# Altium PCB SNES TST.PcbDoc (part 1 of 3) (continued)
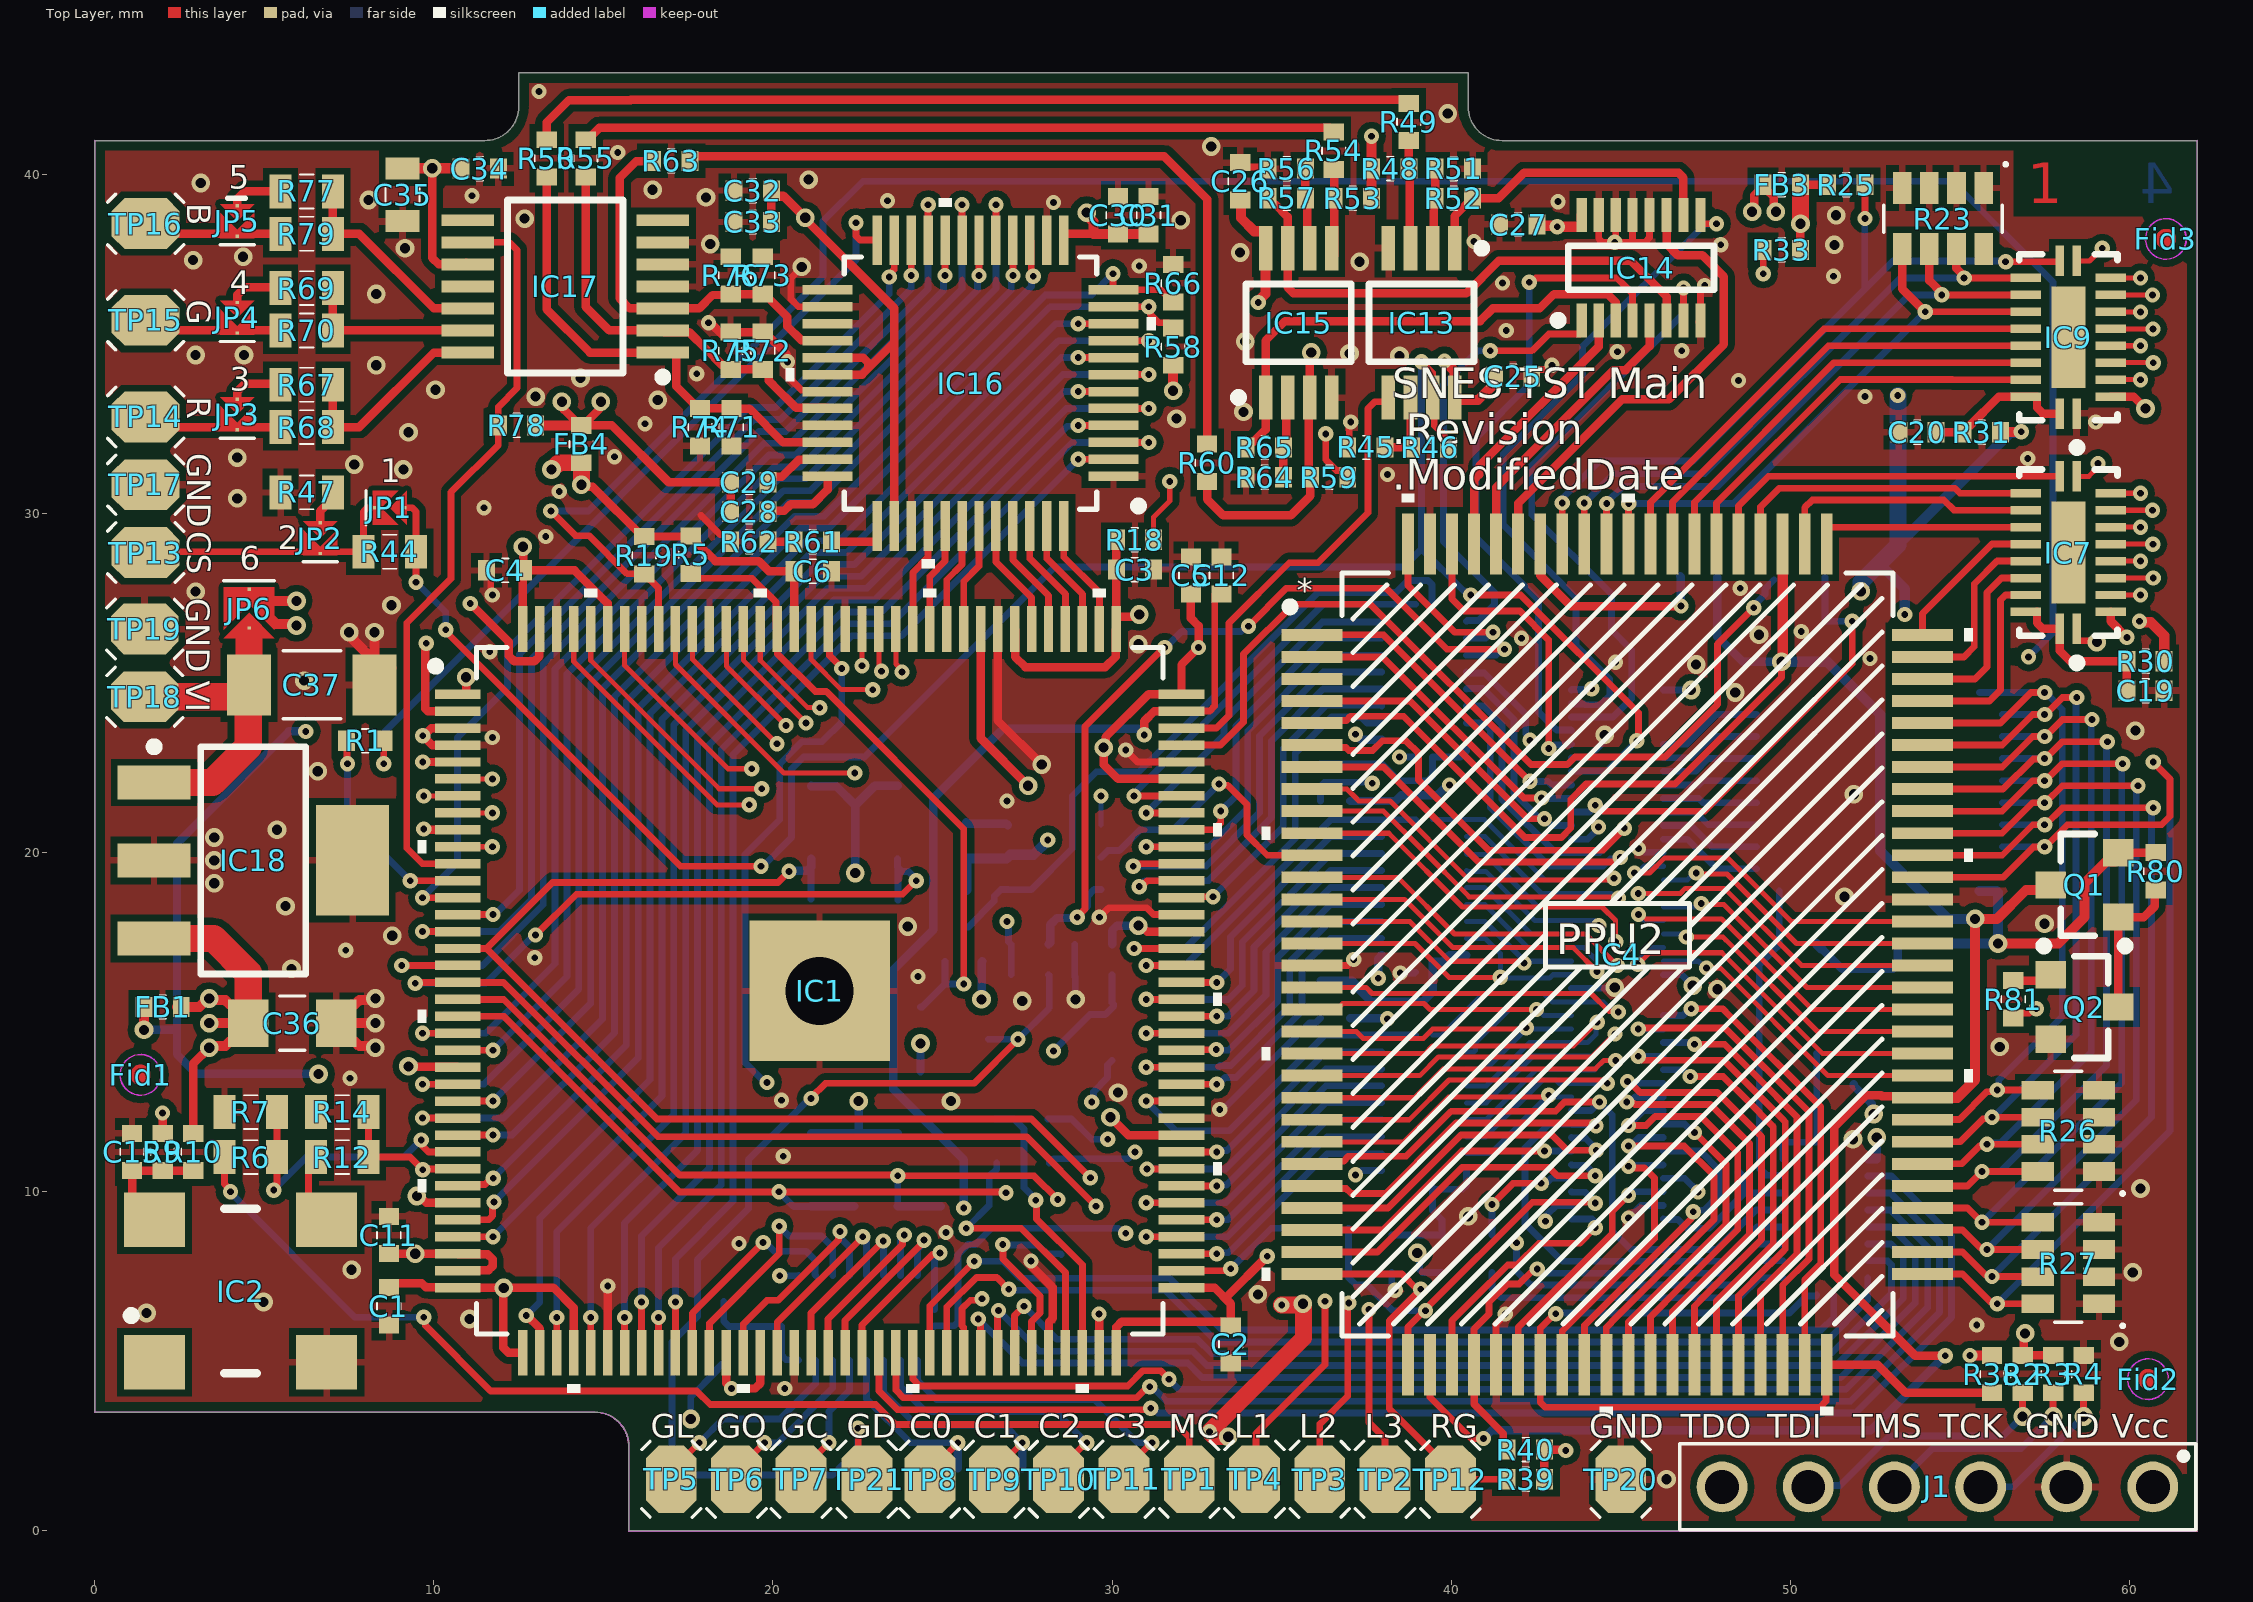
[diagram p0: Top Layer view]
## Components (designator, comment, footprint, x,y, rotation, side; value= is the part's Value field where it differs from the comment) (continued)
TP21 "Pin Connector" "Pin Connector Small" 22.775,1.525 r180 top

## Footprints (in the part's own frame and the unit in brackets; to place one, negate y for a bottom-side part, rotate by r counter-clockwise, add the part's x,y. Pads: shape width x height; smd on the part's side, far side on the other; paste and mask are expansions set on the pad)
1206_Array_Chip [mm] "Chip Array, Concave, 8-Leads, Pitch 0.80mm,  Body 3.20x1.60mm,  IPC Medium Density"
  rect 0.95x0.55 smd: 1(-0.9,1.2) 2(-0.9,0.4) 3(-0.9,-0.4) 4(-0.9,-1.2) 5(0.9,-1.2) 6(0.9,-0.4) 7(0.9,0.4) 8(0.9,1.2)
  silkscreen extent -1.65,-1.75 0.4,1.9, body extent -0.95,-1.7 0.95,1.7, height 0.6
Cap_0402_Chip [mm]
  rect 0.5x0.6 smd: 1(-0.55,0) 2(0.55,0)
  silkscreen extent -0.1,-0.35 0.1,0.35, body extent -0.55,-0.3 0.55,0.3, height 0.55
Cap_0603_Chip [mm]
  rect 0.65x1 smd: 1(-0.775,0) 2(0.775,0)
  silkscreen extent -0.2,-0.5 0.2,0.5, body extent -0.8,-0.48 0.8,0.48, height 0.9
Cap_0805_Chip [mm]
  rect 1.2x1.4 smd: 1(-1.3,0) 2(1.3,0)
  silkscreen extent -0.38,-0.8 0.38,0.8, body extent -1.05,-0.67 1.05,0.67, height 1.35
Cap_1206_Chip [mm]
  rect 1.3x1.8 smd: 1(-1.85,0) 2(1.85,0)
  silkscreen extent -0.85,-1 0.85,1, body extent -1.68,-0.87 1.68,0.87, height 1.4
Con6P [mm]
  round 1.5 hole 1: 1(-6.35,0) 2(-3.81,0) 3(-1.27,0) 4(1.27,0) 5(3.81,0) 6(6.35,0)
  silkscreen extent -7.62,-1.27 7.6,1.27
DF40C-80DP [mm]
  rect 0.35x0.66 smd: 0(-8.275,-1.355) 0(-8.275,1.355) 0(8.275,-1.355) 0(8.275,1.355)
  rect 0.23x0.66 smd: 1(-7.8,-1.355) 2(-7.8,1.355) 3(-7.4,-1.355) 4(-7.4,1.355) 5(-7,-1.355) 6(-7,1.355) 7(-6.6,-1.355) 8(-6.6,1.355) 9(-6.2,-1.355) 10(-6.2,1.355) 11(-5.8,-1.355) 12(-5.8,1.355) 13(-5.4,-1.355) 14(-5.4,1.355) 15(-5,-1.355) 16(-5,1.355) 17(-4.6,-1.355) 18(-4.6,1.355) 19(-4.2,-1.355) 20(-4.2,1.355) 21(-3.8,-1.355) 22(-3.8,1.355) 23(-3.4,-1.355) 24(-3.4,1.355) 25(-3,-1.355) 26(-3,1.355) 27(-2.6,-1.355) 28(-2.6,1.355) 29(-2.2,-1.355) 30(-2.2,1.355) 31(-1.8,-1.355) 32(-1.8,1.355) 33(-1.4,-1.355) 34(-1.4,1.355) 35(-1,-1.355) 36(-1,1.355) 37(-0.6,-1.355) 38(-0.6,1.355) 39(-0.2,-1.355) 40(-0.2,1.355) 41(0.2,-1.355) 42(0.2,1.355) 43(0.6,-1.355) 44(0.6,1.355) 45(1,-1.355) 46(1,1.355) 47(1.4,-1.355) 48(1.4,1.355) 49(1.8,-1.355) 50(1.8,1.355) 51(2.2,-1.355) 52(2.2,1.355) 53(2.6,-1.355) 54(2.6,1.355) 55(3,-1.355) 56(3,1.355) 57(3.4,-1.355) 58(3.4,1.355) 59(3.8,-1.355) 60(3.8,1.355) 61(4.2,-1.355) 62(4.2,1.355) 63(4.6,-1.355) 64(4.6,1.355) 65(5,-1.355) 66(5,1.355) 67(5.4,-1.355) 68(5.4,1.355) 69(5.8,-1.355) 70(5.8,1.355) 71(6.2,-1.355) 72(6.2,1.355) 73(6.6,-1.355) 74(6.6,1.355) 75(7,-1.355) 76(7,1.355) 77(7.4,-1.355) 78(7.4,1.355) 79(7.8,-1.355) 80(7.8,1.355)
  silkscreen extent -9,-2.25 8.87,1.63, body extent -8.76,-1.47 8.76,1.5, height 1.09
EQFP-144_A:1P65_ [mm]
  rect 1.353x0.279 smd: 1(-10.672,8.75) 2(-10.672,8.25) 3(-10.672,7.75) 4(-10.672,7.25) 5(-10.672,6.75) 6(-10.672,6.25) 7(-10.672,5.75) 8(-10.672,5.25) 9(-10.672,4.75) 10(-10.672,4.25) 11(-10.672,3.75) 12(-10.672,3.25) 13(-10.672,2.75) 14(-10.672,2.25) 15(-10.672,1.75) 16(-10.672,1.25) 17(-10.672,0.75) 18(-10.672,0.25) 19(-10.672,-0.25) 20(-10.672,-0.75) 21(-10.672,-1.25) 22(-10.672,-1.75) 23(-10.672,-2.25) 24(-10.672,-2.75) 25(-10.672,-3.25) 26(-10.672,-3.75) 27(-10.672,-4.25) 28(-10.672,-4.75) 29(-10.672,-5.25) 30(-10.672,-5.75) 31(-10.672,-6.25) 32(-10.672,-6.75) 33(-10.672,-7.25) 34(-10.672,-7.75) 35(-10.672,-8.25) 36(-10.672,-8.75) 73(10.672,-8.75) 74(10.672,-8.25) 75(10.672,-7.75) 76(10.672,-7.25) 77(10.672,-6.75) 78(10.672,-6.25) 79(10.672,-5.75) 80(10.672,-5.25) 81(10.672,-4.75) 82(10.672,-4.25) 83(10.672,-3.75) 84(10.672,-3.25) 85(10.672,-2.75) 86(10.672,-2.25) 87(10.672,-1.75) 88(10.672,-1.25) 89(10.672,-0.75) 90(10.672,-0.25) 91(10.672,0.25) 92(10.672,0.75) 93(10.672,1.25) 94(10.672,1.75) 95(10.672,2.25) 96(10.672,2.75) 97(10.672,3.25) 98(10.672,3.75) 99(10.672,4.25) 100(10.672,4.75) 101(10.672,5.25) 102(10.672,5.75) 103(10.672,6.25) 104(10.672,6.75) 105(10.672,7.25) 106(10.672,7.75) 107(10.672,8.25) 108(10.672,8.75)
  rect 0.279x1.353 smd: 37(-8.75,-10.672) 38(-8.25,-10.672) 39(-7.75,-10.672) 40(-7.25,-10.672) 41(-6.75,-10.672) 42(-6.25,-10.672) 43(-5.75,-10.672) 44(-5.25,-10.672) 45(-4.75,-10.672) 46(-4.25,-10.672) 47(-3.75,-10.672) 48(-3.25,-10.672) 49(-2.75,-10.672) 50(-2.25,-10.672) 51(-1.75,-10.672) 52(-1.25,-10.672) 53(-0.75,-10.672) 54(-0.25,-10.672) 55(0.25,-10.672) 56(0.75,-10.672) 57(1.25,-10.672) 58(1.75,-10.672) 59(2.25,-10.672) 60(2.75,-10.672) 61(3.25,-10.672) 62(3.75,-10.672) 63(4.25,-10.672) 64(4.75,-10.672) 65(5.25,-10.672) 66(5.75,-10.672) 67(6.25,-10.672) 68(6.75,-10.672) 69(7.25,-10.672) 70(7.75,-10.672) 71(8.25,-10.672) 72(8.75,-10.672) 109(8.75,10.672) 110(8.25,10.672) 111(7.75,10.672) 112(7.25,10.672) 113(6.75,10.672) 114(6.25,10.672) 115(5.75,10.672) 116(5.25,10.672) 117(4.75,10.672) 118(4.25,10.672) 119(3.75,10.672) 120(3.25,10.672) 121(2.75,10.672) 122(2.25,10.672) 123(1.75,10.672) 124(1.25,10.672) 125(0.75,10.672) 126(0.25,10.672) 127(-0.25,10.672) 128(-0.75,10.672) 129(-1.25,10.672) 130(-1.75,10.672) 131(-2.25,10.672) 132(-2.75,10.672) 133(-3.25,10.672) 134(-3.75,10.672) 135(-4.25,10.672) 136(-4.75,10.672) 137(-5.25,10.672) 138(-5.75,10.672) 139(-6.25,10.672) 140(-6.75,10.672) 141(-7.25,10.672) 142(-7.75,10.672) 143(-8.25,10.672) 144(-8.75,10.672)
  rect 4.14x4.14 smd: EPAD(0,0)
  round 3 hole 2: EPAD(0,0)
  silkscreen extent -11.86,-11.86 11.86,11.86, body extent -11,-11 11,11, height 1.65
Fiducial_1_side [mm]
  Top Layer circle w0.3: c0,0 r0.15
  Top Layer keep-out circle w0.05: c0,0 r0.6
Ind_0402_Chip [mm]
  rect 0.5x0.6 smd: 1(-0.55,0) 2(0.55,0)
  silkscreen extent -0.1,-0.35 0.1,0.35, body extent -0.55,-0.3 0.55,0.3, height 0.55
Jumper [mm]
  rect 0.1x0.1 smd: 1(0,0.45) 2(0,-0.45)
  Top Layer region: -0.5,-0.5 0.5,-0.5 0,0
  Top Layer region: -0.5,-0.25 -0.5,0.5 0.5,0.5 0.5,-0.25 0,0.25
"Jumper Big" [mm]
  rect 0.1x0.1 smd: 1(0,0.7) 2(0,-0.45)
  Top Layer region: -0.75,-0.75 0.75,-0.75 0,0
  Top Layer region: -0.75,-0.5 -0.75,0.75 0.75,0.75 0.75,-0.5 0,0.25
MSOP8 [mm] "TSOP, 8-Leads, Body 3.00x3.00mm, Pitch 0.65mm, IPC Medium Density"
  rect 1.3x0.4 smd: 1(-2.2,0.975) 2(-2.2,0.325) 3(-2.2,-0.325) 4(-2.2,-0.975) 5(2.2,-0.975) 6(2.2,-0.325) 7(2.2,0.325) 8(2.2,0.975)
  silkscreen extent -2.32,-1.55 1.15,1.9, body extent -2.44,-1.55 2.44,1.55, height 1.07
"Pin Connector Small" [mm]
  oct 1.5x2 smd paste-1: 1(0,0)
  silkscreen extent -0.87,-1.12 0.87,1.12
PPU100Pin [mm]
  rect 1.8x0.35 smd paste-1: 1(-9,9.425) 2(-9,8.775) 3(-9,8.125) 4(-9,7.475) 5(-9,6.825) 6(-9,6.175) 7(-9,5.525) 8(-9,4.875) 9(-9,4.225) 10(-9,3.575) 11(-9,2.925) 12(-9,2.275) 13(-9,1.625) 14(-9,0.975) 15(-9,0.325) 16(-9,-0.325) 17(-9,-0.975) 18(-9,-1.625) 19(-9,-2.275) 20(-9,-2.925) 21(-9,-3.575) 22(-9,-4.225) 23(-9,-4.875) 24(-9,-5.525) 25(-9,-6.175) 26(-9,-6.825) 27(-9,-7.475) 28(-9,-8.125) 29(-9,-8.775) 30(-9,-9.425) 51(9,-9.425) 52(9,-8.775) 53(9,-8.125) 54(9,-7.475) 55(9,-6.825) 56(9,-6.175) 57(9,-5.525) 58(9,-4.875) 59(9,-4.225) 60(9,-3.575) 61(9,-2.925) 62(9,-2.275) 63(9,-1.625) 64(9,-0.975) 65(9,-0.325) 66(9,0.325) 67(9,0.975) 68(9,1.625) 69(9,2.275) 70(9,2.925) 71(9,3.575) 72(9,4.225) 73(9,4.875) 74(9,5.525) 75(9,6.175) 76(9,6.825) 77(9,7.475) 78(9,8.125) 79(9,8.775) 80(9,9.425)
  rect 0.35x1.8 smd paste-1: 31(-6.175,-12.1) 32(-5.525,-12.1) 33(-4.875,-12.1) 34(-4.225,-12.1) 35(-3.575,-12.1) 36(-2.925,-12.1) 37(-2.275,-12.1) 38(-1.625,-12.1) 39(-0.975,-12.1) 40(-0.325,-12.1) 41(0.325,-12.1) 42(0.975,-12.1) 43(1.625,-12.1) 44(2.275,-12.1) 45(2.925,-12.1) 46(3.575,-12.1) 47(4.225,-12.1) 48(4.875,-12.1) 49(5.525,-12.1) 50(6.175,-12.1) 81(6.175,12.1) 82(5.525,12.1) 83(4.875,12.1) 84(4.225,12.1) 85(3.575,12.1) 86(2.925,12.1) 87(2.275,12.1) 88(1.625,12.1) 89(0.975,12.1) 90(0.325,12.1) 91(-0.325,12.1) 92(-0.975,12.1) 93(-1.625,12.1) 94(-2.275,12.1) 95(-2.925,12.1) 96(-3.575,12.1) 97(-4.225,12.1) 98(-4.875,12.1) 99(-5.525,12.1) 100(-6.175,12.1)
  silkscreen extent -10.48,-13.58 10.48,13.58, body extent -9.48,-12.48 9.47,12.47, height 2.82
"Quarz 7.5mm" [mm]
  rect 1.8x1.6 smd: 1(-2.54,-2.1) 2(2.54,-2.1) 3(2.54,2.1) 4(-2.54,2.1)
  silkscreen extent -3.35,-2.42 0.48,2.42, body extent -3.5,-2.51 3.5,2.51, height 1.52
Res_0402_Chip [mm]
  rect 0.5x0.6 smd: 1(-0.55,0) 2(0.55,0)
  silkscreen extent -0.1,-0.35 0.1,0.35, body extent -0.55,-0.3 0.55,0.3, height 0.35
Res_0603_Chip [mm]
  rect 0.65x1 smd: 1(-0.775,0) 2(0.775,0)
  silkscreen extent -0.2,-0.5 0.2,0.5, body extent -0.8,-0.48 0.8,0.48, height 0.5
SOD323 [mm] "SODFL, 2-Leads, Body 1.25x2.50mm, IPC Medium Density"
  rect 0.95x0.45 smd: 1(-1.075,0) 2(1.075,0)
  silkscreen extent -1.5,-0.7 0.9,0.7, body extent -1.25,-0.67 1.25,0.67, height 1
SOT23-6 [mm] "SOT23, 5-Leads, Body 2,90x2,80mm, Pitch 0,95mm, IPC Medium Density"
  rect 1x0.6 smd: 1(-1.375,0.95) 2(-1.375,0) 3(-1.375,-0.95) 4(1.375,-0.95) 5(1.375,0) 6(1.375,0.95)
  silkscreen extent -1.5,-1.55 0.5,1.92, body extent -1.3,-1.4 1.3,1.4, height 1.45
SOT23_FET [mm] "SOT23, 3-Leads, Body 2,90x2,45mm, Pitch 0,95mm, IPC Medium Density"
  rect 0.9x0.8 smd: D(1,0) G(-1,0.95) S(-1,-0.95)
  silkscreen extent -1.33,-1.5 0.7,1.92, body extent -1.3,-1.5 1.3,1.5, height 1.1
SOT23_Transistor [mm] "SOT23, 3-Leads, Body 2,90x2,45mm, Pitch 0,95mm, IPC Medium Density"
  rect 0.9x0.8 smd: B(-1,0.95) C(1,0) E(-1,-0.95)
  silkscreen extent -1.32,-1.5 0.7,1.92, body extent -1.3,-1.5 1.3,1.5, height 1.1
SOT223-3 [mm] "SOT223, 4-Leads, Body 6.50x7.00mm (avg), Pitch 2.30mm, IPC Medium Density"
  rect 2.15x1 smd: 1(-2.925,2.3) 2(-2.925,0) 3(-2.925,-2.3)
  rect 2.15x3.25 smd: 2(2.925,0)
  silkscreen extent -3.05,-3.35 1.55,3.47, body extent -3.5,-3.35 3.5,3.35, height 1.8
SOT-23THIN16 [mm] "TSSOP, 16-Leads, Body 4.20x2.00mm, Pitch 0.50mm, IPC Medium Density"
  rect 1x0.3 smd: 1(-1.55,1.75) 2(-1.55,1.25) 3(-1.55,0.75) 4(-1.55,0.25) 5(-1.55,-0.25) 6(-1.55,-0.75) 7(-1.55,-1.25) 8(-1.55,-1.75) 9(1.55,-1.75) 10(1.55,-1.25) 11(1.55,-0.75) 12(1.55,-0.25) 13(1.55,0.25) 14(1.55,0.75) 15(1.55,1.25) 16(1.55,1.75)
  silkscreen extent -1.67,-2.15 0.65,2.57, body extent -1.63,-2.15 1.63,2.15, height 1.1
ST_48_ADI [mil]
  rect 57.56x11 smd: 1(-166,108.27) 2(-166,88.58) 3(-166,68.9) 4(-166,49.21) 5(-166,29.53) 6(-166,9.84) 7(-166,-9.84) 8(-166,-29.53) 9(-166,-49.21) 10(-166,-68.9) 11(-166,-88.58) 12(-166,-108.27) 25(166,-108.27) 26(166,-88.58) 27(166,-68.9) 28(166,-49.21) 29(166,-29.53) 30(166,-9.84) 31(166,9.84) 32(166,29.53) 33(166,49.21) 34(166,68.9) 35(166,88.58) 36(166,108.27)
  rect 11x57.56 smd: 13(-108.27,-166) 14(-88.58,-166) 15(-68.9,-166) 16(-49.21,-166) 17(-29.53,-166) 18(-9.84,-166) 19(9.84,-166) 20(29.53,-166) 21(49.21,-166) 22(68.9,-166) 23(88.58,-166) 24(108.27,-166) 37(108.27,166) 38(88.58,166) 39(68.9,166) 40(49.21,166) 41(29.53,166) 42(9.84,166) 43(-9.84,166) 44(-29.53,166) 45(-49.21,166) 46(-68.9,166) 47(-88.58,166) 48(-108.27,166)
  silkscreen extent -215,-215 215,215, body extent -181,-181 181,181, height 63
TSSOP14 [mm]
  rect 1.55x0.35 smd: 1(-2.875,1.95) 2(-2.875,1.3) 3(-2.875,0.65) 4(-2.875,0) 5(-2.875,-0.65) 6(-2.875,-1.3) 7(-2.875,-1.95) 8(2.875,-1.95) 9(2.875,-1.3) 10(2.875,-0.65) 11(2.875,0) 12(2.875,0.65) 13(2.875,1.3) 14(2.875,1.95)
  silkscreen extent -3,-2.55 1.7,2.8, body extent -3.2,-2.55 3.2,2.55, height 1.2
"TSSOP20 Narrow" [mm] "TSOP, 20-Leads, Body 6,50x4,40mm, Pitch 0,65mm, IPC Medium Density"
  rect 1.4x0.4 smd: 1(-2.95,2.925) 2(-2.95,2.275) 3(-2.95,1.625) 4(-2.95,0.975) 5(-2.95,0.325) 6(-2.95,-0.325) 7(-2.95,-0.975) 8(-2.95,-1.625) 9(-2.95,-2.275) 10(-2.95,-2.925) 11(2.95,-2.925) 12(2.95,-2.275) 13(2.95,-1.625) 14(2.95,-0.975) 15(2.95,-0.325) 16(2.95,0.325) 17(2.95,0.975) 18(2.95,1.625) 19(2.95,2.275) 20(2.95,2.925)
  silkscreen extent -3.07,-3.3 1.85,3.82, body extent -3.2,-3.3 3.2,3.3, height 1.2
VQFN20 [mm] "QFN, 20-Leads, Body 2.50x4.50mm, Pitch 0.50mm, Thermal Pad 1.00x3.00mm, IPC Low Density"
  rect 0.25x0.9 smd: 1(-0.25,2.25) 10(-0.25,-2.25) 11(0.25,-2.25) 20(0.25,2.25)
  rect 0.9x0.25 smd: 2(-1.25,1.75) 3(-1.25,1.25) 4(-1.25,0.75) 5(-1.25,0.25) 6(-1.25,-0.25) 7(-1.25,-0.75) 8(-1.25,-1.25) 9(-1.25,-1.75) 12(1.25,-1.75) 13(1.25,-1.25) 14(1.25,-0.75) 15(1.25,-0.25) 16(1.25,0.25) 17(1.25,0.75) 18(1.25,1.25) 19(1.25,1.75)
  rect 1x3 smd: 21(0,0)
  silkscreen extent -1.45,-2.45 1.45,3.37, body extent -1.3,-2.3 1.3,2.3, height 1

## Part data
C1 C2 C3 C4 C5 C6 C7 C8 C9 C10 C11 C12 C13 C14 C15 C16 C17 C18 C19 C20 C21 C22 C23 C24 C25 C26 C27 C28 C29 C30 C31 C32 C33 C34 C35 C36: library part Capacitor, Dielectric=X7R, Nominal Voltage=10V, Tolerance=+-20%
C37: library part Capacitor, Dielectric=X7R, Nominal Voltage=25V, Tolerance=+-20%
D1 D2 D3 D4: Manufacturer_Part_Number=BAT54WS-7-F, Vendor=Diodes
FB1 FB2 FB3 FB4: library part "Ferrite Bead", Manufacturer_Part_Number=MMZ1005S182ET000, Vendor=TDK
IC1: library part 10M08SAE144C8G, "No Description Available", Built_By=EMA_Cory, Copyright="Copyright (C) 2018 Accelerated Designs. All rights reserved", Manufacturer_Part_Number=10M08SAE144C8G, RefDes=RefDes, SourceLibrary=Intel_2020-01-10, Type=DEV, Vendor=Intel
IC2: library part Oscillator, "Oscillator", Manufacturer_Part_Number=LFSPXO020648Bulk, Frequency="17.734475 MHz", Vendor="IQD Frequency"
IC3: "2:1 MUX", Manufacturer_Part_Number=TMUX1219DBVR, Vendor="Texas Instruments"
IC4: library part PPU2100Pin, "PPU2", Manufacturer_Part_Number=PPU2, Vendor=Nintendo
IC5: Manufacturer_Part_Number=SN74HCT541PW, Vendor="Texas Instruments"
IC6 IC7 IC8 IC9 IC10 IC11 IC12: library part LSF0108DCUR, "8-bit level shifter", Manufacturer_Part_Number=LSF0108RKS, Vendor="Texas Instruments"
IC13 IC15: Manufacturer_Part_Number=OPA2356AIDGK, Vendor="Analog Devices"
IC14: "SPDT 4 Ch", Manufacturer_Part_Number=TMUX1574DYYR, Vendor="Texas Instruments"
IC16: library part ADV7123KSTZ140, "10Bit Video DAC", Manufacturer_Part_Number=ADV7123KSTZ50, Built_By=EMA_UL_Team, Copyright="Copyright (C) 2018 Accelerated Designs. All rights reserved", RefDes=RefDes, SourceLibrary=Analog_2012-01-01_8, Type=DEV, Vendor="Analog Devices Inc"
IC17: Manufacturer_Part_Number=THS7374IPW, Vendor="Texas Instruments"
IC18: library part "MCP1703 SOT223", "3.3V Regulator", Manufacturer_Part_Number=MCP1703T-3302E/DB, Vendor=Microchip
J1: "6 Pole Connector"
J2: library part "Conn 80P", Manufacturer_Part_Number=DF40C-80DP-0.4V(51), Vendor="Hirose Connector"
Q1: library part Mosfet1, Manufacturer_Part_Number=IRLML6402, Vendor=Diodes
Q2: library part T_NPN, Manufacturer_Part_Number=MMBT3904, Vendor=Diodes
Q3: library part "Mosfet N", Manufacturer_Part_Number=BSS138, Vendor=Infenion
R1 R2 R3 R4 R5 R6 R7 R8 R11 R12 R13 R14 R15 R16 R17 R18 R19 R20 R21 R22 R24 R25 R28 R29 R30 R31 R32 R33 R34 R35 R36 R37 R38 R39 R40 R41 R42 R43 R44 R45 R46 R47 R48 R50 R51 R52 R53 R55 R56 R57 R58 R59 R61 R62 R63 R64 R65 R66 R67 R68 R69 R70 R71 R72 R73 R74 R75 R76 R77 R78 R79 R80 R81 R82 R83: library part R, Tolerance=+-1%
R9 R10 R49 R54 R60: library part R
R23 R26 R27: library part RNetwork, Tolerance=+-1%

## Via types
v1: diameter 0.45, hole 0.2, Top Layer to Bottom Layer, tented both sides, 377 vias
v2: diameter 0.55, hole 0.3, Top Layer to Bottom Layer, tented both sides, 133 vias

## Nets (pads, with @x,y where several pads share a name; then routed paths per layer and width w, separated by ;. In a path a pad name is that pad's centre, name@x,y a point inside that pad or via, vN(x,y) a via of type N, cw(c..) or ccw(c..) an arc to the next point about the centre after c; other vN are vias at no path point)
3.3V: C1.1 C2.1 C3.1 C4.1 C5.1 C6.1 C13.1 C14.1 C36.2 D1.1 D2.1 D3.1 D4.1 FB1.1 FB4.1 IC1.1 IC1.5 IC1.9 IC1.23 IC1.31 IC1.36 IC1.37 IC1.40 IC1.49 IC1.51 IC1.67 IC1.72 IC1.73 IC1.82 IC1.94 IC1.103 IC1.108 IC1.109 IC1.115 IC1.117 IC1.128 IC1.139 IC1.144 IC6.2 IC7.2 IC8.2 IC9.2 IC10.2 IC11.2 IC12.2 IC18.3 J1.1 Q3.G R2.1 R3.1 R5.1 R10.1 R18.1 R19.1 R83.2 | length 106.6
  Top Layer w0.2: v1(26.775,8.45) 26.784,8.441 26.784,8.016 27.875,6.925 27.875,6.428 27.625,6.178 IC1.67@27.625,5.253
  Top Layer w0.25: R10.1@2.9,11.725 2.9,13.775 v2(3.375,14.25) ; C1.1@8.675,7.175 8.8,7.3 8.996,7.3 ; 8.996,7.3 9.65,7.3 9.765,7.185 10.693,7.185 IC1.36@10.703,7.175 12.025,7.175 v2@12.05,7.15 ; v2(9.25,13.7) 9.262,13.688 10.691,13.688 IC1.23@10.703,13.675 ; v2(9.5,9.875) 9.581,9.875 9.781,9.675 IC1.31@10.703,9.675 ; v1@9.65,20.7 9.675,20.675 IC1.9@10.703,20.675 ; v1(9.675,22.675) IC1.5@10.703,22.675 ; v2(10.95,25.175) 10.95,24.69 IC1.1@11.063,24.69 ; IC1.37@12.625,5.253 12.197,5.253 12.05,5.4 v2@12.05,7.15 ; IC1.144@12.625,26.597 12.625,28.3 C4.1@12.65,28.325 ; v2(12.625,29.025) 12.638,29.012 12.638,28.337 C4.1@12.65,28.325 ; IC1.40@14.125,5.253 14.125,6.575 13.525,7.175 12.075,7.175 v2(12.063,7.163) v2@12.05,7.15 ; v2(14.35,30.85) 14.407,30.793 14.682,30.793 16.15,29.325 R19.1@16.2,29.325 R19.1@16.225,29.325 ; IC1.139@15.125,26.597 15.125,27.35 14.15,28.325 C4.1@12.65,28.325 ; R19.1@16.275,29.325 17.633,29.325 17.747,29.211 17.747,29.153 18.3,28.6 19.58,28.6 19.88,28.3 20.5,28.3 20.55,28.35 C6.1@20.625,28.35 ; IC1.49@18.625,5.253 18.625,4.35 v1(18.775,4.2) 19.475,4.2 19.625,4.35 IC1.51@19.625,5.253 ; IC1.128@20.625,26.597 C6.1@20.625,28.3 ; IC1.117@26.125,26.597 26.125,23.375 v2(27.525,21.975) ; IC1.115@27.125,26.597 27.14,26.582 27.14,25.777 27.441,25.475 29.8,25.475 30.11,25.785 30.11,26.582 IC1.109@30.125,26.597 IC1.109@30.125,26.941 ; v2(29.951,12.201) 30.477,11.675 IC1.82@32.047,11.675 ; IC1.72@30.125,5.253 30.125,6.014 30.286,6.175 33.179,6.175 33.375,6.175 C2.1@33.5,6.05 33.5,6.7 33.025,7.175 IC1.73@32.047,7.175 ; R18.1@30.125,29.225 C3.1@30.125,28.35 IC1.109@30.125,26.941 ; v2@30.718,17.793 v2(30.775,17.85) 30.856,17.85 31.031,17.675 IC1.94@32.047,17.675 ; v2(30.8,27.025) 30.719,27.025 30.65,26.956 30.14,26.956 IC1.109@30.125,26.941 ; IC1.103@32.047,22.175 30.175,22.175 29.75,22.6 v2(29.75,23.1) 29.807,23.157 29.807,23.407 31.075,24.675 IC1.108@32.047,24.675 32.047,25.547 v1(32.55,26.05) 32.55,26.69 32.325,26.915 C5.1@32.325,27.625 ; 33.339,6.864 v1(34.575,8.1) ; v2(56.925,5.825) 56.888,5.788 56.888,5.213 56.925,5.175 R3.1@57.75,5.175 ; IC7.2@59.449,27.1 59.449,26.826 v1(59.925,26.35) ; IC9.2@59.45,33.45 60.125,33.45 v2(60.475,33.1)
  Top Layer w0.3: FB1.1@2.425,15.45 FB1.1@2.55,15.45 3.084,15.45 3.334,15.7 v2(3.375,15.7) 3.423,15.652 3.848,15.652 3.975,15.525 4.075,15.525 C36.2@4.525,15.075 ; v2(3.375,14.25) 3.423,14.298 3.848,14.298 3.975,14.425 4.075,14.425 C36.2@4.525,14.875 ; v2(3.375,14.975) C36.2@4.525,14.975
  Top Layer w0.5: v2(13.469,31.302) 13.483,31.302 13.681,31.5 FB4.1@14.35,31.5 v2(14.35,30.85)
  Top Layer w0.8: IC18.3@1.75,17.475 3.5,17.475 4.525,16.45 4.525,15.075 C36.2@4.525,14.975
  Bottom Layer w0.2: v1(20.2,7.525) 20.752,7.525 IC11.2@20.76,7.533 ; v1(26.775,8.45) 26.79,8.435 27.808,8.435 28.067,8.176 28.474,8.176 C14.1@28.5,8.15 ; v1(37.175,10.5) 37.229,10.5 37.354,10.625 IC6.2@37.95,10.625
  Bottom Layer w0.25: D1.1@21.125,11.725 22.525,11.725 ; D3.1@21.125,21.975 21.125,21.956 21.869,21.956 22.425,21.4 ; v2(22.425,19.4) 22.425,21.4 ; v2(22.525,12.675) 22.525,11.725 ; D2.1@23.675,11.725 22.525,11.725 ; D4.1@23.675,21.975 23,21.975 22.425,21.4 ; Q3.G@24.35,13.55 v2(24.35,14.375) ; v2(26.15,15.675) 26.163,15.687 26.163,16.788 R83.2@26.175,16.8 ; C13.1@30,17.3 30,17.704 30.146,17.85 v2(30.775,17.85) ; v1(37.175,23.493) 37.343,23.325 IC10.2@37.95,23.325 ; v1(37.852,16.301) 37.852,16.877 IC8.2@37.95,16.975 ; IC12.2@52.282,10.965 52.55,10.965 v2(52.55,11.6)
  other v1: 9.7,20.7
3.3V_A: C28.1 C29.1 C30.2 C31.2 C32.2 C33.2 C34.2 C35.2 FB4.2 IC16.13 IC16.29 IC16.30 IC16.38 IC17.10 R58.2 R78.1 | length 35.4
  Top Layer w0.25: v2(9.95,40.182) 9.95,37.546 10.146,37.35 IC17.10@11,37.35 IC17.10@10.95,37.4 ; v2(13.775,33.3) 13.832,33.243 13.832,33.068 FB4.2@14.3,32.6 ; FB4.2@14.35,32.6 FB4.2@14.4,32.6 ; v2(14.925,33.3) 14.868,33.243 14.868,33.068 FB4.2@14.4,32.6 ; C28.1@18.75,30.05 C29.1@18.75,30.925 16.925,30.925 15.25,32.6 FB4.2@14.4,32.6 ; C33.2@19.95,38.6 C32.2@19.95,39.525 C32.2@19.95,39.497 ; 20.28,39.35 20.075,39.35 19.95,39.475 C32.2@19.95,39.497 ; v2@20.928,38.703 23.575,36.055 IC16.38@23.575,29.634 ; v2(20.95,38.725) 20.303,39.372 20.075,39.372 C32.2@19.95,39.497 ; IC16.30@21.609,34.1 21.61,34.098 22.623,34.098 22.625,34.1 ; IC16.29@21.609,34.6 22.655,34.6 22.802,34.454 22.802,34.276 ; 22.626,34.1 22.802,34.276 ; 23.557,35.031 22.802,34.276 ; IC16.13@28.575,38.066 28.575,38.235 28.59,38.25 29.4,38.25
  Top Layer w0.3: C35.2@9.082,40.182 v2(9.95,40.182) C34.2@10.793,40.182 ; R78.1@13,32.6 FB4.2@14.35,32.6 ; v2(29.25,38.875) 29.25,38.807 29.448,38.61 29.448,38.25 C30.2@30.175,38.25 C31.2@31.075,38.25 ; v2(31.8,33.625) R58.2@31.8,34.375
5MIN: IC4.38 J2.71 | length 8.6
  Top Layer w0.2: IC4.38@43.275,4.9 43.275,5.9 45.994,8.619 45.994,10.409 45.697,10.706 45.273,10.706 v1(45.225,10.754)
  Bottom Layer w0.2: v1(45.225,10.754) 45.256,10.785 46.24,10.785 J2.71@46.255,10.8
5MOUT: IC4.27 J2.68 | length 10.4
  Top Layer w0.2: IC4.27@35.9,9.525 38.14,9.525 40.215,11.6 40.29,11.676 42.974,11.676 43.424,11.225 v1(44.275,11.225)
  Bottom Layer w0.2: J2.68@43.545,11.6 43.56,11.585 43.959,11.585 43.979,11.565 44.275,11.269 v1(44.275,11.225)
5V: C16.1 C17.1 FB3.1 IC3.2 IC5.20 J2.1 J2.2 J2.24 J2.43 J2.78 JP6.1 Q1.S R9.1 R22.1 R24.1 R25.1 R29.2 R30.2 R31.2 R32.2 R33.1 R34.1 R35.1 R36.1 R37.2 R38.1 R39.1 R40.1 R80.1 R82.2 | length 85.6
  Top Layer w0.25: R9.1@2,11.725 v1(2,12.325) ; R39.1@42.75,1.525 R40.1@42.75,2.4 42.762,2.388 43.362,2.388 v1(43.375,2.375) ; R33.1@50.3,37.775 v2(50.3,38.55) ; FB3.1@50.3,39.7 R25.1@51.1,39.7 ; Q1.S@59.675,20 R80.1@60.775,20
  Top Layer w0.3: 4.8,27.525 4.8,27.425 ; v2(5.95,26.7) 5.902,26.748 5.344,26.748 4.8,27.291 4.8,27.425 ; v2(5.95,27.425) 4.8,27.425 ; v1(55.3,5.175) R38.1@55.95,5.175 ; v2(56.125,17.325) 57.9,17.325 58.675,18.1 58.675,19.1 59.325,19.75 59.575,19.75 Q1.S@59.675,19.85 ; R31.2@56.2,32.35 56.257,32.407 56.805,32.407 v1(56.812,32.415) ; v1(60.3,26.825) 60.329,26.796 60.629,26.796 61.025,26.4 R30.2@61.025,25.65
  Top Layer w0.5: v2@33.414,2.786 33.014,2.786 v1(32.875,2.925) 35.64,5.69 v2@35.64,6.665 ; v1(35,6.665) v2@35.64,6.665 ; v2(35.627,6.7) 35.627,6.679 v2@35.64,6.665 ; v2(50.3,38.55) FB3.1@50.3,39.7
  Power Layer w0.2: v1(26.9,17.975) 26.9,18.5
  Power Layer w0.25: v1(38.125,15.1) 38.525,15.1
  Power Layer w0.3: 49.587,8.913 52.475,6.025 54.45,6.025 v1(55.3,5.175) ; v1(53.375,27.025) 60.059,27.025 60.259,26.825 v1(60.3,26.825)
  Power Layer w0.5: v1(35,6.665) 35.76,7.425 36.075,7.425 ; v2(50.3,38.55) 50.3,36.354 v1(53.171,33.483)
  Bottom Layer w0.2: v2(17.575,3.3) 17.575,3.95 18.35,4.725 18.35,4.775 18.5,4.925 R36.1@18.55,4.925 ; v1(26.9,17.975) 26.948,17.927 26.948,17.377 R34.1@27.025,17.3 R82.2@27.025,16.4 ; v2(39,8.2) 39.067,8.133 39.067,7.708 39.15,7.625 R29.2@39.725,7.625 ; v1(42.777,9.133) 42.825,9.181 42.825,9.325 43.1,9.6 J2.78@43.545,9.6 ; J2.24@43.545,20.4 44.026,20.4 44.345,20.718 v1(44.345,20.757) ; J2.2@43.545,24.8 43.56,24.815 44.12,24.815 v1(44.142,24.836) ; J2.43@46.255,16.4 46.8,16.4 v2(47.125,16.075) ; J2.1@46.255,24.8 v2(47.075,24.8)
  Bottom Layer w0.25: R32.2@37.025,15.125 37.038,15.112 38.113,15.112 v1(38.125,15.1) ; R35.1@37.025,21.525 38.357,21.525 38.532,21.7 39.596,21.7 39.896,22 v1(39.95,22) ; R24.1@50.775,17.325 50.775,17.275 50.9,17.15 50.95,17.15 51.525,16.575 53.029,16.575 53.175,16.721 C17.1@53.175,17.325 ; R37.2@51.875,13.175 51.875,13.125 52.399,12.601 52.399,12.351 v2(52.456,12.294)
  Bottom Layer w0.3: R22.1@25.7,18.9 C16.1@25.7,19.8 25.732,19.832 26.891,19.832 26.999,19.94 27.684,19.94 28.1,20.356 v1(28.1,20.375) ; 52.628,28.528 53.375,27.78 v1(53.375,27.025) v1@53.346,27.054 ; 53.171,29.071 56.486,32.386 56.784,32.386 v1(56.812,32.415) ; C17.1@53.175,17.325 v2(56.125,17.325) 56.125,18.825 56.075,18.875 IC5.20@55.575,18.875
  Bottom Layer w0.5: v2(52.075,27.712) 52.085,27.722 52.085,27.985 52.628,28.528 53.171,29.071 v1(53.171,33.483)
  other v2: 33.425,2.775
5V_A: C25.1 C26.1 C27.1 FB3.2 IC13.8 IC14.16 IC15.8 R48.2 R53.2 R59.2 | length 13.4
  Top Layer w0.2: v1(36.302,32.352) 36.302,31.586 36.613,31.275 36.8,31.275 36.95,31.125 R59.2@36.95,31.075
  Top Layer w0.25: v2(48.875,38.9) 48.932,38.957 48.932,39.382 FB3.2@49.2,39.65 ; FB3.2@49.277,39.573 49.518,39.332 49.518,38.957 v2(49.575,38.9)
  Top Layer w0.3: C26.1@33.8,39.275 33.8,38.716 34.191,38.325 34.475,38.325 34.525,38.275 IC15.8@34.525,37.825 34.525,36.478 34.31,36.263 v1(34.31,36.223) ; R53.2@37.65,39.3 R48.2@37.65,40.2 ; R48.2@37.65,40.225 v1(37.65,41.125) ; v1(39.8,34.5) 40.1,34.2 IC13.8@40.1,33.425 ; IC13.8@40.1,33.504 40.1,33.399 40.15,33.349 40.792,33.349 41.275,33.833 C25.1@41.275,34.05 ; C27.1@42.525,38.6 42.525,38.589 42.625,38.489 43.096,38.489 v1(43.125,38.46) 43.85,38.46 IC14.16@43.85,38.8
  Bottom Layer w0.3: v1@43.125,38.42 v1(43.125,38.46)
5V_PPU: FB2.1 IC4.5 IC4.32 IC4.59 IC4.83 Q1.D | length 75.4
  Top Layer w0.2: IC4.5@35.9,23.825 35.975,23.9 36.911,23.9 37.037,24.026 37.349,24.026 37.35,24.025 38.597,24.025 42.172,20.45 43.25,20.45 43.525,20.725 43.525,21.575 43.978,22.028 46.603,22.028 49.741,25.166 v2(49.741,25.634) ; IC4.32@39.375,4.9 39.375,3.942 40.592,2.725 v1(40.952,2.725)
  Top Layer w0.25: IC4.59@53.9,12.775 53.85,12.825 52.703,12.825 52.684,12.844 52.228,12.844 51.3,11.915 51.3,7.55 53.684,5.166 v1(54.566,5.166)
  Top Layer w0.3: v2(49.741,25.634) 49.775,25.667 IC4.83@49.775,29.1 ; IC4.59@53.9,12.775 54.925,12.775 55.45,13.3 v2(55.45,18.05) 56.1,18.05 56.95,18.9 Q1.D@57.675,18.9
  Bottom Layer w0.25: v1(40.952,2.725) 41.202,2.975 52.375,2.975 v1(54.566,5.166) ; FB2.1@47.85,28.125 47.85,26.375 48.591,25.634 v2(49.741,25.634)
  Bottom Layer w0.3: v2(49.741,25.634) 51.091,25.634 52.65,24.075 52.65,20.05 54.65,18.05 v2(55.45,18.05)
AMPFILT: IC1.11 IC17.9 R78.2 | length 22.3
  Top Layer w0.2: IC1.11@10.703,19.675 9.662,19.675 9.2,20.137 9.2,26.775 10.507,28.082 10.507,30.632 11.9,32.025 R78.2@11.9,32.65 ; IC17.9@11,38 12.225,38 12.45,37.775 12.45,33.7 11.9,33.15 R78.2@11.9,32.6
BAMP: IC14.3 IC15.1 R65.2 | length 14.9
  Top Layer w0.25: R65.2@34,32 34.125,32.125 34.175,32.125 34.525,32.475 IC15.1@34.525,33.425 34.525,35.1 35.1,35.675 40.85,35.675 41.225,36.05 42.607,36.05 43.032,36.475 44.614,36.475 44.85,36.239 IC14.3@44.85,35.7
BDAC: IC16.28 IC17.3 R63.2 R73.2 R76.2 | length 11.9
  Top Layer w0.25: R63.2@16.45,40.4 16.446,40.396 15.971,40.396 15.475,39.9 15.475,36.35 15.772,36.053 16.747,36.053 IC17.3@16.75,36.05 17.825,36.05 18.221,36.446 18.721,36.446 R76.2@18.75,36.475 R73.2@19.75,36.475 ; R73.2@19.7,36.475 R73.2@19.75,36.475 ; IC16.28@21.609,35.1 21.594,35.115 20.834,35.115 20.428,35.521 20.428,35.797 R73.2@19.75,36.475
BDIG1: IC1.26 IC16.15 | length 36.3
  Top Layer w0.2: v1(9.662,12.175) IC1.26@10.703,12.175 ; IC16.15@27.575,38.066 27.615,38.027 27.615,37.125 27.674,37.065 v1(27.674,36.998)
  Bottom Layer w0.2: v1(9.662,12.175) 12.05,12.175 14.975,15.1 14.975,15.685 14.975,24.84 20.46,30.325 21.25,30.325 27.625,36.7 27.625,36.881 27.674,36.93 v1(27.674,36.998)